# KiCad board backplane.20-slot.kicad_pcb (continued)
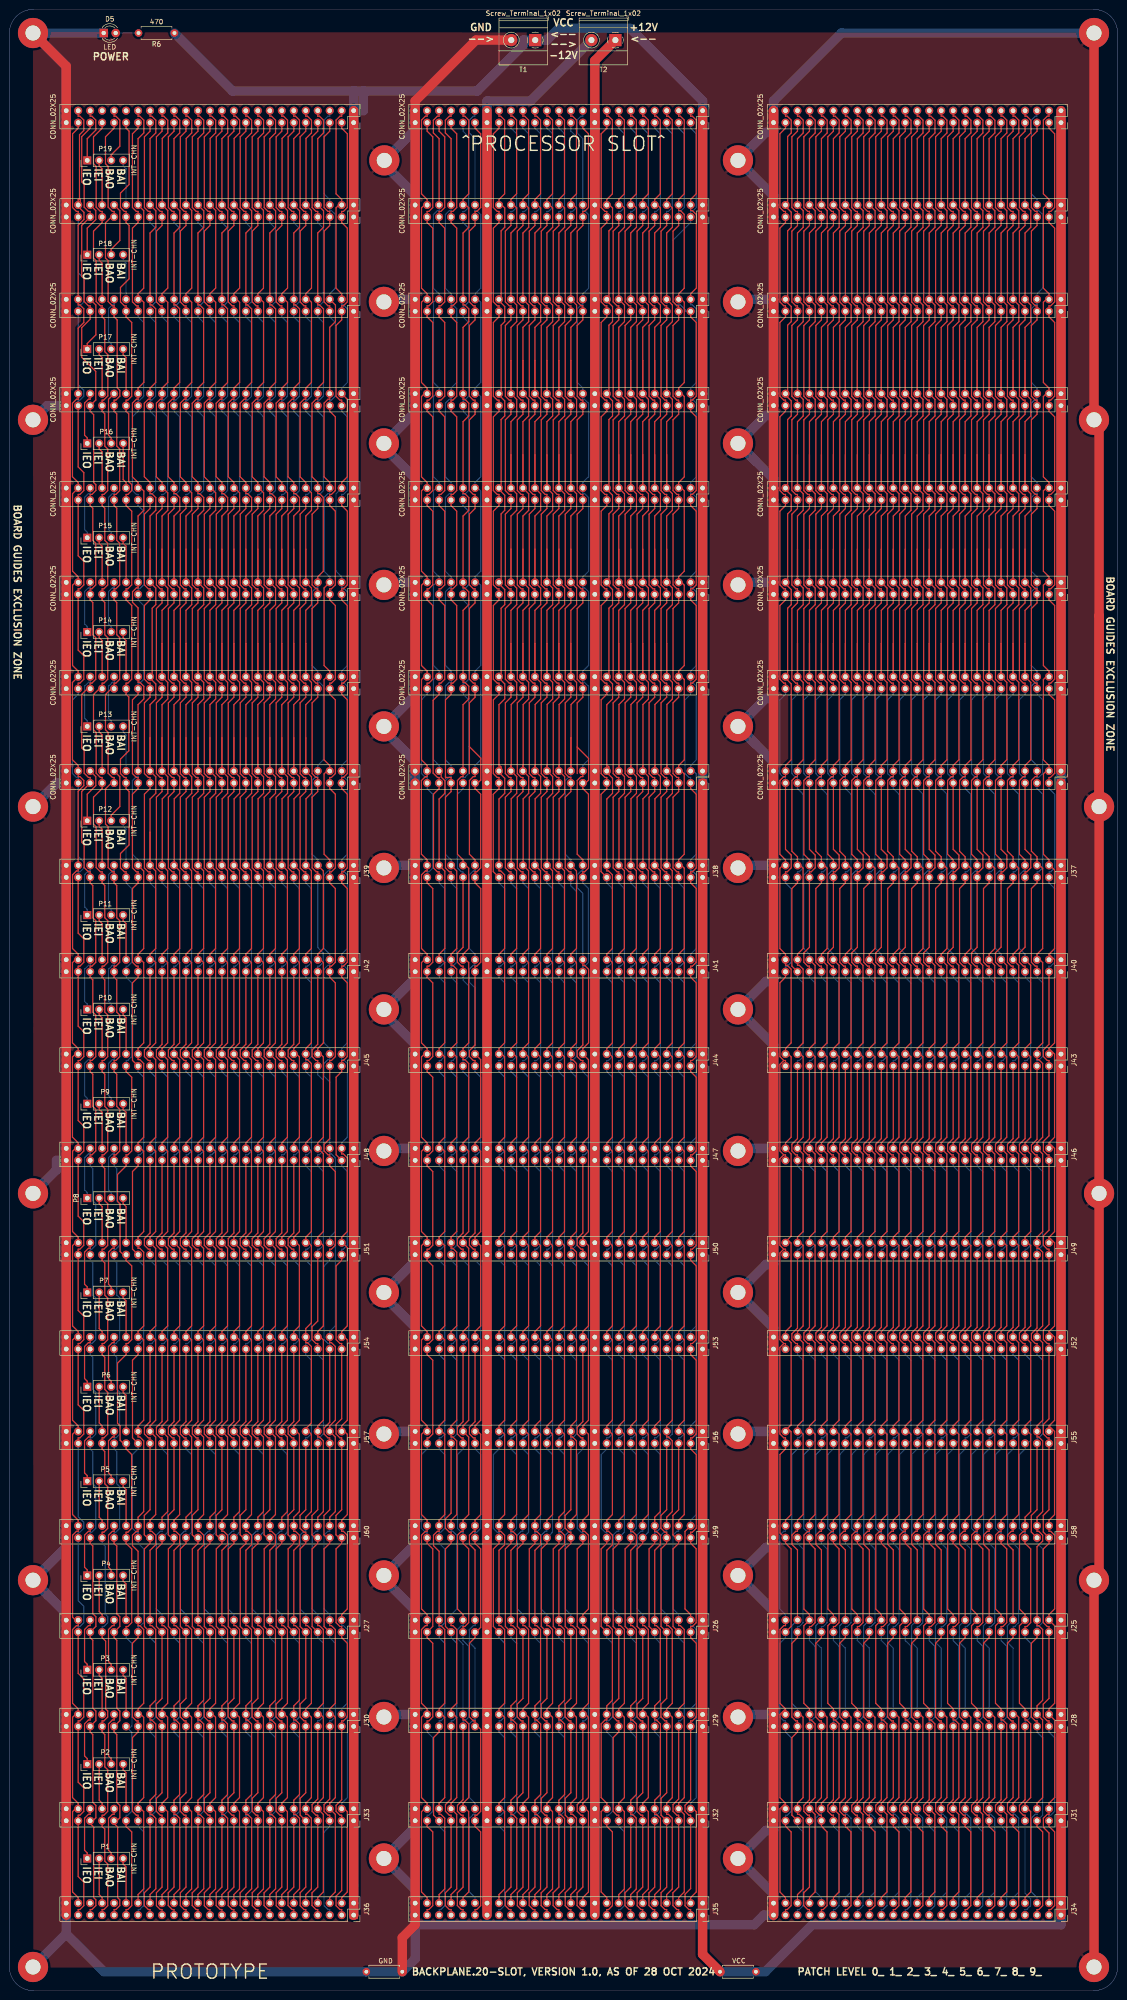
[diagram p0: board, top side]
## Routing (per net, layer and track width the routed paths; a pad name or vN(x,y) marks a point on that pad's centre or on a via; arc(x,y) is an arc through that point) (continued)
/CRUIN: length 426.4
  Top w0.25: 52.73,378.54 53.87,377.4 53.87,360.91 52.68,359.72 52.68,359.13 ; 52.73,378.54 J19.18 ; 52.73,378.54 52.73,392.65 53.9,393.82 53.9,396.51 53.05,397.36 52.68,397.36 J22.18 ; 52.68,199.13 J45.18 ; 52.68,199.13 J45.18 ; 52.68,199.13 52.68,199.72 53.87,200.91 53.87,217.93 52.68,219.13 ; J45.18 53.87,197.35 53.87,180.91 52.68,179.72 52.68,179.13 ; 52.68,285.57 J4.18 ; 52.68,285.57 J4.18 ; 52.68,285.57 52.68,292.6 53.9,293.82 53.9,297.32 J7.18 ; J4.18 53.9,277.32 53.9,273.82 52.68,272.6 52.68,265.57 ; J30.18 52.68,59.13 ; 52.68,59.13 52.68,59.72 53.87,60.91 53.87,76.54 53.05,77.36 52.68,77.36 J27.18 ; 52.68,59.13 53.87,57.94 53.87,40.91 52.68,39.72 52.68,39.13 ; J16.18 52.68,359.13 ; 52.68,359.13 53.9,357.91 53.9,340.93 52.68,339.72 J13.18 52.68,337.36 52.31,337.36 51.49,336.54 51.49,320.91 52.68,319.72 52.68,318.74 ; 52.68,305.57 52.68,312.6 53.9,313.82 53.9,317.52 52.68,318.74 ; 52.68,305.57 J7.18 ; 52.68,305.57 J7.18 ; 52.68,159.13 52.68,159.72 53.87,160.91 53.87,177.93 52.68,179.13 ; 52.68,159.13 J51.18 ; 52.68,159.13 J51.18 ; J54.18 52.68,139.13 ; 52.68,139.13 53.87,137.93 53.87,120.91 52.68,119.72 52.68,119.13 ; 52.68,139.13 52.68,139.72 53.87,140.91 53.87,157.35 J51.18 ; 52.68,265.57 J1.18 ; 52.68,265.57 J1.18 ; J1.18 53.9,257.32 53.9,253.82 52.73,252.65 52.73,238.54 ; 52.68,39.13 53.87,37.94 53.87,21.54 52.68,20.35 J36.18 ; 52.68,39.13 J33.18 ; 52.73,238.54 53.87,237.4 53.87,220.91 52.68,219.72 52.68,219.13 ; 52.73,238.54 52.68,238.54 ; 52.68,119.13 J57.18 ; 52.68,119.13 J57.18 ; 52.68,238.54 J39.18 52.68,238.54 ; 52.68,318.74 J10.18 ; J48.18 52.68,179.13 ; J57.18 53.87,117.35 53.87,101.55 52.68,100.35 J60.18 ; 52.68,219.13 J42.18
  Bottom w0.25: J60.18 52.68,97.36 52.32,97.36 51.49,96.54 51.49,80.91 52.68,79.72 J27.18
/CRUOUT: length 425.3
  Top w0.25: 55.22,305.57 55.22,312.6 56.44,313.82 56.44,316.51 55.59,317.36 55.22,317.36 J10.16 55.22,319.72 54,320.93 54,336.51 54.85,337.36 55.22,337.36 J13.16 55.22,339.72 56.45,340.94 56.45,356.5 55.59,357.36 55.22,357.36 J16.16 55.22,372.6 56.45,373.83 56.45,377.31 J19.16 55.22,392.6 56.44,393.82 56.44,396.51 55.59,397.36 55.22,397.36 J22.16 ; 55.22,305.57 J7.16 ; 55.22,305.57 J7.16 ; 55.22,199.13 J45.16 ; 55.22,199.13 J45.16 ; 55.22,199.13 55.22,199.72 56.41,200.91 56.41,217.93 55.22,219.13 ; J45.16 56.41,197.35 56.41,180.91 55.22,179.72 55.22,179.13 ; J57.16 55.22,119.13 ; J57.16 56.41,117.35 56.41,100.91 55.22,99.72 J60.16 55.22,97.36 55.59,97.36 56.41,96.54 56.41,94.52 55.22,93.33 J27.16 55.22,77.36 55.59,77.36 56.41,76.54 56.41,61.55 55.22,60.35 J30.16 55.22,57.36 55.59,57.36 56.43,56.52 56.43,41.57 55.22,40.35 J33.16 55.22,37.36 55.59,37.36 56.44,36.51 56.44,21.57 55.22,20.35 J36.16 ; J57.16 55.22,119.13 ; 55.22,119.13 55.22,119.72 56.41,120.91 56.41,137.93 55.22,139.13 ; J7.16 56.44,297.32 56.44,293.82 55.22,292.6 55.22,285.57 ; 55.22,219.13 55.22,219.72 56.41,220.91 56.41,237.4 55.27,238.54 ; 55.22,219.13 J42.16 ; J4.16 55.22,285.57 ; J4.16 56.44,277.32 56.44,273.82 55.22,272.6 55.22,265.57 ; J4.16 55.22,285.57 ; 55.22,159.13 J51.16 ; 55.22,159.13 55.22,159.72 56.41,160.91 56.41,177.93 55.22,179.13 ; 55.22,159.13 J51.16 ; J51.16 56.41,157.35 56.41,140.91 55.22,139.72 55.22,139.13 ; J1.16 56.44,257.32 56.44,253.82 55.27,252.65 55.27,238.54 ; J1.16 55.22,265.57 ; J1.16 55.22,265.57 ; J48.16 55.22,179.13 ; 55.27,238.54 55.22,238.54 ; 55.22,238.54 J39.16 55.22,238.54 ; J54.16 55.22,139.13
/D0: length 403.2
  Top w0.25: J6.33 182.36,277.18 182,277.18 181.17,278 181.17,293 182.36,294.19 J9.33 182.36,297.18 182,297.18 181.17,298 181.17,313 182.36,314.19 J12.33 182.36,317.18 182,317.18 181.17,318 181.17,333 182.36,334.19 J15.33 182.36,337.18 182,337.18 181.17,338 181.17,353 182.36,354.19 J18.33 182.36,357.18 182,357.18 181.17,358 181.17,373 182.36,374.19 J21.33 182.36,377.18 182,377.18 181.17,378 181.17,393 182.36,394.19 J24.33 ; J46.33 182.36,177.18 181.99,177.18 181.17,178 181.17,179.42 182.36,180.61 J43.33 ; J25.33 182.36,74.82 181.17,73.63 181.17,58 181.99,57.18 182.36,57.18 J28.33 182.36,40.91 181.17,39.72 181.17,38 181.99,37.18 182.36,37.18 J31.33 182.36,34.82 183.55,33.63 183.55,18 182.73,17.18 182.36,17.18 J34.33 ; J40.33 182.36,217.18 181.99,217.18 181.17,218 181.17,233.63 182.36,234.82 J37.33 ; J49.33 182.36,140.61 181.17,139.42 181.17,138 181.99,137.18 182.36,137.18 J52.33
  Bottom w0.25: J58.33 182.36,95.41 ; 182.36,95.41 182.36,94.82 183.55,93.63 183.55,78 182.73,77.18 182.36,77.18 J25.33 ; 182.36,95.41 181.18,96.59 181.18,113.65 182.36,114.82 J55.33 182.36,117.18 182.73,117.18 183.55,118 183.55,133.63 182.36,134.82 J52.33 ; J49.33 182.36,157.18 182.73,157.18 183.55,158 183.55,173.63 182.36,174.82 J46.33 ; J40.33 182.36,214.82 183.55,213.63 183.55,198 182.73,197.18 182.36,197.18 J43.33 ; J37.33 182.36,237.18 182.73,237.18 183.55,238 183.55,253.63 182.36,254.82 J3.33 182.36,257.18 181.99,257.18 181.17,258 181.17,273.63 182.36,274.82 J6.33
/D1: length 403.2
  Top w0.25: J49.31 184.9,140.61 183.71,139.42 183.71,138 184.53,137.18 184.9,137.18 J52.31 ; J58.31 184.9,94.82 186.09,93.63 186.09,78 185.27,77.18 184.9,77.18 J25.31 ; J24.31 184.9,394.19 183.71,393 183.71,378 184.53,377.18 184.9,377.18 J21.31 184.9,374.19 183.71,373 183.71,358 184.53,357.18 184.9,357.18 J18.31 184.9,354.19 183.71,353 183.71,338 184.53,337.18 184.9,337.18 J15.31 184.9,334.19 183.71,333 183.71,318 184.53,317.18 184.9,317.18 J12.31 184.9,314.19 183.71,313 183.71,298 184.53,297.18 184.9,297.18 J9.31 184.9,294.19 183.71,293 183.71,278 184.53,277.18 184.9,277.18 J6.31 ; J43.31 184.9,180.61 183.71,179.42 183.71,178 184.53,177.18 184.9,177.18 J46.31 ; J3.31 184.9,241.94 186.12,240.72 186.12,238.03 185.27,237.18 184.9,237.18 J37.31 184.9,221.18 183.71,219.99 183.71,218 184.53,217.18 184.9,217.18 J40.31 ; J28.31 184.9,40.46 183.71,39.27 183.71,38 184.53,37.18 184.9,37.18 J31.31
  Bottom w0.25: J31.31 184.9,34.82 186.09,33.63 186.09,18 185.27,17.18 184.9,17.18 J34.31 ; J46.31 184.9,174.82 186.09,173.63 186.09,158 185.27,157.18 184.9,157.18 J49.31 ; 184.9,115.41 186.09,116.61 186.09,133.63 184.9,134.82 J52.31 ; 184.9,115.41 J55.31 ; 184.9,115.41 184.9,114.82 183.71,113.63 183.71,98 184.53,97.18 184.9,97.18 J58.31 ; J40.31 184.9,214.82 186.09,213.63 186.09,198 185.27,197.18 184.9,197.18 J43.31 ; J28.31 184.9,57.18 185.27,57.18 186.09,58 186.09,73 184.9,74.19 J25.31 ; J3.31 184.9,257.18 184.53,257.18 183.71,258 183.71,273.63 184.9,274.82 J6.31
/D2: length 403.2
  Top w0.25: J43.29 187.44,180.61 186.25,179.42 186.25,178 187.07,177.18 187.44,177.18 J46.29 ; J52.29 187.44,137.18 187.07,137.18 186.25,138 186.25,139.42 187.44,140.61 J49.29 ; J25.29 187.44,74.82 186.25,73.63 186.25,58 187.07,57.18 187.44,57.18 J28.29 187.44,40.91 186.25,39.72 186.25,38 187.07,37.18 187.44,37.18 J31.29 187.44,34.82 188.63,33.63 188.63,18 187.81,17.18 187.44,17.18 J34.29 ; J37.29 187.44,234.82 186.25,233.63 186.25,218 187.07,217.18 187.44,217.18 J40.29 ; J24.29 187.44,394.19 186.25,393 186.25,378 187.08,377.18 187.44,377.18 J21.29 187.44,374.19 186.25,373 186.25,358 187.08,357.18 187.44,357.18 J18.29 187.44,354.19 186.25,353 186.25,338 187.08,337.18 187.44,337.18 J15.29 187.44,334.19 186.25,333 186.25,318 187.08,317.18 187.44,317.18 J12.29 187.44,314.19 186.25,313 186.25,298 187.08,297.18 187.44,297.18 J9.29 187.44,294.19 186.25,293 186.25,278 187.08,277.18 187.44,277.18 J6.29
  Bottom w0.25: J37.29 187.44,237.18 187.81,237.18 188.63,238 188.63,253.63 187.44,254.82 J3.29 187.44,257.18 187.07,257.18 186.25,258 186.25,273.63 187.44,274.82 J6.29 ; J25.29 187.44,77.18 187.81,77.18 188.63,78 188.63,93.63 187.44,94.82 187.44,95.41 ; 187.44,95.41 186.26,96.59 186.26,113.65 187.44,114.82 J55.29 187.44,117.18 187.81,117.18 188.63,118 188.63,133.63 187.44,134.82 J52.29 ; 187.44,95.41 J58.29 ; J43.29 187.44,197.18 187.81,197.18 188.63,198 188.63,213.63 187.44,214.82 J40.29 ; J49.29 187.44,157.18 187.81,157.18 188.63,158 188.63,173.63 187.44,174.82 J46.29
/D3: length 403.2
  Top w0.25: J40.27 189.98,217.18 189.61,217.18 188.79,218 188.79,219.99 189.98,221.18 J37.27 189.98,237.18 190.35,237.18 191.2,238.03 191.2,240.72 189.98,241.94 J3.27 ; J52.27 189.98,137.18 189.61,137.18 188.79,138 188.79,139.42 189.98,140.61 J49.27 ; J6.27 189.98,277.18 189.62,277.18 188.79,278 188.79,293 189.98,294.19 J9.27 189.98,297.18 189.62,297.18 188.79,298 188.79,313 189.98,314.19 J12.27 189.98,317.18 189.62,317.18 188.79,318 188.79,333 189.98,334.19 J15.27 189.98,337.18 189.62,337.18 188.79,338 188.79,353 189.98,354.19 J18.27 189.98,357.18 189.62,357.18 188.79,358 188.79,373 189.98,374.19 J21.27 189.98,377.18 189.62,377.18 188.79,378 188.79,393 189.98,394.19 J24.27 ; J46.27 189.98,177.18 189.61,177.18 188.79,178 188.79,179.42 189.98,180.61 J43.27 ; J31.27 189.98,37.18 189.61,37.18 188.79,38 188.79,39.27 189.98,40.46 J28.27 ; J25.27 189.98,77.18 190.35,77.18 191.17,78 191.17,93.63 189.98,94.82 J58.27
  Bottom w0.25: 189.98,115.41 189.98,114.82 188.79,113.63 188.79,98 189.61,97.18 189.98,97.18 J58.27 ; 189.98,115.41 191.17,116.61 191.17,133.63 189.98,134.82 J52.27 ; 189.98,115.41 J55.27 ; J49.27 189.98,157.18 190.35,157.18 191.17,158 191.17,173.63 189.98,174.82 J46.27 ; J6.27 189.98,274.82 188.79,273.63 188.79,258 189.61,257.18 189.98,257.18 J3.27 ; J31.27 189.98,34.82 191.17,33.63 191.17,18 190.35,17.18 189.98,17.18 J34.27 ; J28.27 189.98,57.18 190.35,57.18 191.17,58 191.17,73 189.98,74.19 J25.27 ; J40.27 189.98,214.82 191.17,213.63 191.17,198 190.35,197.18 189.98,197.18 J43.27
/D4: length 403.2
  Top w0.25: J6.25 192.52,277.18 192.16,277.18 191.33,278 191.33,293 192.52,294.19 J9.25 192.52,297.18 192.16,297.18 191.33,298 191.33,313 192.52,314.19 J12.25 192.52,317.18 192.16,317.18 191.33,318 191.33,333 192.52,334.19 J15.25 192.52,337.18 192.16,337.18 191.33,338 191.33,353 192.52,354.19 J18.25 192.52,357.18 192.16,357.18 191.33,358 191.33,373 192.52,374.19 J21.25 192.52,377.18 192.16,377.18 191.33,378 191.33,393 192.52,394.19 J24.25 ; J43.25 192.52,180.61 191.33,179.42 191.33,178 192.15,177.18 192.52,177.18 J46.25 ; J25.25 192.52,74.82 191.33,73.63 191.33,58 192.15,57.18 192.52,57.18 J28.25 192.52,40.91 191.33,39.72 191.33,38 192.15,37.18 192.52,37.18 J31.25 192.52,34.82 193.71,33.63 193.71,18 192.89,17.18 192.52,17.18 J34.25 ; J37.25 192.52,234.82 191.33,233.63 191.33,218 192.15,217.18 192.52,217.18 J40.25 ; J52.25 192.52,137.18 192.15,137.18 191.33,138 191.33,139.42 192.52,140.61 J49.25
  Bottom w0.25: J25.25 192.52,77.18 192.89,77.18 193.71,78 193.71,93.63 192.52,94.82 192.52,95.41 ; J49.25 192.52,157.18 192.89,157.18 193.71,158 193.71,173.63 192.52,174.82 J46.25 ; J43.25 192.52,197.18 192.89,197.18 193.71,198 193.71,213.63 192.52,214.82 J40.25 ; J6.25 192.52,274.82 191.33,273.63 191.33,258 192.15,257.18 192.52,257.18 J3.25 192.52,254.82 193.71,253.63 193.71,238 192.89,237.18 192.52,237.18 J37.25 ; J52.25 192.52,134.82 193.71,133.63 193.71,118 192.89,117.18 192.52,117.18 J55.25 192.52,114.82 191.34,113.65 191.34,96.59 192.52,95.41 ; J58.25 192.52,95.41
/D5: length 403.2
  Top w0.25: J58.23 195.06,94.82 196.25,93.63 196.25,78 195.43,77.18 195.06,77.18 J25.23 ; J6.23 195.06,277.18 194.69,277.18 193.87,278 193.87,293 195.06,294.19 J9.23 195.06,297.18 194.69,297.18 193.87,298 193.87,313 195.06,314.19 J12.23 195.06,317.18 194.69,317.18 193.87,318 193.87,333 195.06,334.19 J15.23 195.06,337.18 194.69,337.18 193.87,338 193.87,353 195.06,354.19 J18.23 195.06,357.18 194.69,357.18 193.87,358 193.87,373 195.06,374.19 J21.23 195.06,377.18 194.69,377.18 193.87,378 193.87,393 195.06,394.19 J24.23 ; J40.23 195.06,217.18 194.69,217.18 193.87,218 193.87,219.99 195.06,221.18 J37.23 195.06,237.18 195.43,237.18 196.28,238.03 196.28,240.72 195.06,241.94 J3.23 ; J43.23 195.06,180.61 193.87,179.42 193.87,178 194.69,177.18 195.06,177.18 J46.23 ; J31.23 195.06,37.18 194.69,37.18 193.87,38 193.87,39.27 195.06,40.46 J28.23 ; J49.23 195.06,140.61 193.87,139.42 193.87,138 194.69,137.18 195.06,137.18 J52.23
  Bottom w0.25: J58.23 195.06,97.18 194.69,97.18 193.87,98 193.87,113.63 195.06,114.82 195.06,115.41 ; J34.23 195.06,17.18 195.43,17.18 196.25,18 196.25,33.63 195.06,34.82 J31.23 ; J25.23 195.06,74.19 196.25,73 196.25,58 195.43,57.18 195.06,57.18 J28.23 ; J43.23 195.06,197.18 195.43,197.18 196.25,198 196.25,213.63 195.06,214.82 J40.23 ; 195.06,115.41 J55.23 ; 195.06,115.41 196.25,116.61 196.25,133.63 195.06,134.82 J52.23 ; J46.23 195.06,174.82 196.25,173.63 196.25,158 195.43,157.18 195.06,157.18 J49.23 ; J3.23 195.06,257.18 194.69,257.18 193.87,258 193.87,273.63 195.06,274.82 J6.23
/D6: length 403.2
  Top w0.25: J37.21 197.6,234.82 196.41,233.63 196.41,218 197.23,217.18 197.6,217.18 J40.21 ; J46.21 197.6,177.18 197.23,177.18 196.41,178 196.41,179.42 197.6,180.61 J43.21 ; J6.21 197.6,277.18 197.24,277.18 196.41,278 196.41,293 197.6,294.19 J9.21 197.6,297.18 197.24,297.18 196.41,298 196.41,313 197.6,314.19 J12.21 197.6,317.18 197.24,317.18 196.41,318 196.41,333 197.6,334.19 J15.21 197.6,337.18 197.24,337.18 196.41,338 196.41,353 197.6,354.19 J18.21 197.6,357.18 197.24,357.18 196.41,358 196.41,373 197.6,374.19 J21.21 197.6,377.18 197.24,377.18 196.41,378 196.41,393 197.6,394.19 J24.21 ; J49.21 197.6,140.61 196.41,139.42 196.41,138 197.23,137.18 197.6,137.18 J52.21 ; J25.21 197.6,74.82 196.41,73.63 196.41,58 197.23,57.18 197.6,57.18 J28.21 197.6,40.91 196.41,39.72 196.41,38 197.23,37.18 197.6,37.18 J31.21 197.6,34.82 198.79,33.63 198.79,18 197.97,17.18 197.6,17.18 J34.21
  Bottom w0.25: J6.21 197.6,274.82 196.41,273.63 196.41,258 197.23,257.18 197.6,257.18 J3.21 197.6,254.82 198.79,253.63 198.79,238 197.97,237.18 197.6,237.18 J37.21 ; 197.6,95.41 197.6,94.82 198.79,93.63 198.79,78 197.97,77.18 197.6,77.18 J25.21 ; 197.6,95.41 196.42,96.59 196.42,113.65 197.6,114.82 J55.21 197.6,117.18 197.97,117.18 198.79,118 198.79,133.63 197.6,134.82 J52.21 ; 197.6,95.41 J58.21 ; J43.21 197.6,197.18 197.97,197.18 198.79,198 198.79,213.63 197.6,214.82 J40.21 ; J46.21 197.6,174.82 198.79,173.63 198.79,158 197.97,157.18 197.6,157.18 J49.21
/D7: length 403.2
  Top w0.25: J40.19 200.14,217.18 199.77,217.18 198.95,218 198.95,219.99 200.14,221.18 J37.19 200.14,237.18 200.51,237.18 201.36,238.03 201.36,240.72 200.14,241.94 J3.19 ; J43.19 200.14,180.61 198.95,179.42 198.95,178 199.77,177.18 200.14,177.18 J46.19 ; J24.19 200.14,394.19 198.95,393 198.95,378 199.78,377.18 200.14,377.18 J21.19 200.14,374.19 198.95,373 198.95,358 199.78,357.18 200.14,357.18 J18.19 200.14,354.19 198.95,353 198.95,338 199.78,337.18 200.14,337.18 J15.19 200.14,334.19 198.95,333 198.95,318 199.78,317.18 200.14,317.18 J12.19 200.14,314.19 198.95,313 198.95,298 199.78,297.18 200.14,297.18 J9.19 200.14,294.19 198.95,293 198.95,278 199.78,277.18 200.14,277.18 J6.19 ; J25.19 200.14,77.18 200.51,77.18 201.33,78 201.33,93.63 200.14,94.82 J58.19 ; J28.19 200.14,40.46 198.95,39.27 198.95,38 199.77,37.18 200.14,37.18 J31.19 ; J49.19 200.14,140.61 198.95,139.42 198.95,138 199.77,137.18 200.14,137.18 J52.19
  Bottom w0.25: J3.19 200.14,257.18 199.77,257.18 198.95,258 198.95,273.63 200.14,274.82 J6.19 ; J43.19 200.14,197.18 200.51,197.18 201.33,198 201.33,213.63 200.14,214.82 J40.19 ; J31.19 200.14,34.82 201.33,33.63 201.33,18 200.51,17.18 200.14,17.18 J34.19 ; J28.19 200.14,57.18 200.51,57.18 201.33,58 201.33,73 200.14,74.19 J25.19 ; J49.19 200.14,157.18 200.51,157.18 201.33,158 201.33,173.63 200.14,174.82 J46.19 ; 200.14,115.41 201.33,116.61 201.33,133.63 200.14,134.82 J52.19 ; 200.14,115.41 200.14,114.82 198.95,113.63 198.95,98 199.77,97.18 200.14,97.18 J58.19 ; 200.14,115.41 J55.19
/D8: length 403.2
  Top w0.25: J43.17 202.68,180.61 201.49,179.42 201.49,178 202.31,177.18 202.68,177.18 J46.17 ; J24.17 202.68,394.19 201.49,393 201.49,378 202.31,377.18 202.68,377.18 J21.17 202.68,374.19 201.49,373 201.49,358 202.31,357.18 202.68,357.18 J18.17 202.68,354.19 201.49,353 201.49,338 202.31,337.18 202.68,337.18 J15.17 202.68,334.19 201.49,333 201.49,318 202.31,317.18 202.68,317.18 J12.17 202.68,314.19 201.49,313 201.49,298 202.31,297.18 202.68,297.18 J9.17 202.68,294.19 201.49,293 201.49,278 202.31,277.18 202.68,277.18 J6.17 ; J25.17 202.68,74.82 201.49,73.63 201.49,58 202.31,57.18 202.68,57.18 J28.17 202.68,40.91 201.49,39.72 201.49,38 202.31,37.18 202.68,37.18 J31.17 202.68,34.82 203.87,33.63 203.87,18 203.05,17.18 202.68,17.18 J34.17 ; J52.17 202.68,137.18 202.31,137.18 201.49,138 201.49,139.42 202.68,140.61 J49.17 ; J40.17 202.68,217.18 202.31,217.18 201.49,218 201.49,233.63 202.68,234.82 J37.17
  Bottom w0.25: J43.17 202.68,197.18 203.05,197.18 203.87,198 203.87,213.63 202.68,214.82 J40.17 ; J6.17 202.68,274.82 201.49,273.63 201.49,258 202.31,257.18 202.68,257.18 J3.17 202.68,254.82 203.87,253.63 203.87,238 203.05,237.18 202.68,237.18 J37.17 ; J58.17 202.68,95.41 ; 202.68,95.41 202.68,94.82 203.87,93.63 203.87,78 203.05,77.18 202.68,77.18 J25.17 ; 202.68,95.41 201.5,96.59 201.5,113.65 202.68,114.82 J55.17 202.68,117.18 203.05,117.18 203.87,118 203.87,133.63 202.68,134.82 J52.17 ; J46.17 202.68,174.82 203.87,173.63 203.87,158 203.05,157.18 202.68,157.18 J49.17
/D9: length 403.2
  Top w0.25: 205.22,136 205.22,137.18 204.85,137.18 204.03,138 204.03,139.42 205.22,140.61 205.22,156 ; 205.22,396 205.22,394.19 204.03,393 204.03,378 204.86,377.18 205.22,377.18 205.22,374.19 204.03,373 204.03,358 204.86,357.18 205.22,357.18 205.22,354.19 204.03,353 204.03,338 204.86,337.18 205.22,337.18 205.22,334.19 204.03,333 204.03,318 204.86,317.18 205.22,317.18 205.22,314.19 204.03,313 204.03,298 204.86,297.18 205.22,297.18 205.22,294.19 204.03,293 204.03,278 204.86,277.18 205.22,277.18 205.22,276 ; 205.22,96 205.22,94.82 206.41,93.63 206.41,78 205.59,77.18 205.22,77.18 205.22,76 ; 205.22,256 205.22,241.94 206.44,240.72 206.44,238.03 205.59,237.18 205.22,237.18 205.22,221.18 204.03,219.99 204.03,218 204.85,217.18 205.22,217.18 205.22,216 ; 205.22,56 205.22,40.46 204.03,39.27 204.03,38 204.85,37.18 205.22,37.18 205.22,36 ; 205.22,176 205.22,177.18 204.85,177.18 204.03,178 204.03,179.42 205.22,180.61 205.22,196
  Bottom w0.25: 205.22,96 205.22,97.18 204.85,97.18 204.03,98 204.03,113.63 205.22,114.82 205.22,115.41 ; 205.22,156 205.22,157.18 205.59,157.18 206.41,158 206.41,173.63 205.22,174.82 205.22,176 ; 205.22,196 205.22,197.18 205.59,197.18 206.41,198 206.41,213.63 205.22,214.82 205.22,216 ; 205.22,56 205.22,57.18 205.59,57.18 206.41,58 206.41,73 205.22,74.19 205.22,76 ; 205.22,115.41 205.22,116 ; 205.22,115.41 206.41,116.61 206.41,133.63 205.22,134.82 205.22,136 ; 205.22,36 205.22,34.82 206.41,33.63 206.41,18 205.59,17.18 205.22,17.18 205.22,16 ; 205.22,256 205.22,257.18 204.85,257.18 204.03,258 204.03,273.63 205.22,274.82 205.22,276
/D10: length 403.2
  Top w0.25: J25.13 207.76,74.82 206.57,73.63 206.57,58 207.39,57.18 207.76,57.18 J28.13 207.76,40.91 206.57,39.72 206.57,38 207.39,37.18 207.76,37.18 J31.13 207.76,34.82 208.95,33.63 208.95,18 208.13,17.18 207.76,17.18 J34.13 ; J37.13 207.76,234.82 206.57,233.63 206.57,218 207.39,217.18 207.76,217.18 J40.13 ; J46.13 207.76,177.18 207.39,177.18 206.57,178 206.57,179.42 207.76,180.61 J43.13 ; J24.13 207.76,394.19 206.57,393 206.57,378 207.39,377.18 207.76,377.18 J21.13 207.76,374.19 206.57,373 206.57,358 207.39,357.18 207.76,357.18 J18.13 207.76,354.19 206.57,353 206.57,338 207.39,337.18 207.76,337.18 J15.13 207.76,334.19 206.57,333 206.57,318 207.39,317.18 207.76,317.18 J12.13 207.76,314.19 206.57,313 206.57,298 207.39,297.18 207.76,297.18 J9.13 207.76,294.19 206.57,293 206.57,278 207.39,277.18 207.76,277.18 J6.13 ; J52.13 207.76,137.18 207.39,137.18 206.57,138 206.57,139.42 207.76,140.61 J49.13
  Bottom w0.25: J6.13 207.76,274.82 206.57,273.63 206.57,258 207.39,257.18 207.76,257.18 J3.13 207.76,254.82 208.95,253.63 208.95,238 208.13,237.18 207.76,237.18 J37.13 ; J49.13 207.76,157.18 208.13,157.18 208.95,158 208.95,173.63 207.76,174.82 J46.13 ; 207.76,95.41 206.58,96.59 206.58,113.65 207.76,114.82 J55.13 207.76,117.18 208.13,117.18 208.95,118 208.95,133.63 207.76,134.82 J52.13 ; 207.76,95.41 207.76,94.82 208.95,93.63 208.95,78 208.13,77.18 207.76,77.18 J25.13 ; 207.76,95.41 J58.13 ; J43.13 207.76,197.18 208.13,197.18 208.95,198 208.95,213.63 207.76,214.82 J40.13
/D11: length 403.2
  Top w0.25: J40.11 210.3,217.18 209.93,217.18 209.11,218 209.11,220.02 210.3,221.21 J37.11 210.3,237.18 210.67,237.18 211.52,238.03 211.52,240.72 210.3,241.94 J3.11 ; J24.11 210.3,394.19 209.11,393 209.11,378 209.94,377.18 210.3,377.18 J21.11 210.3,374.19 209.11,373 209.11,358 209.94,357.18 210.3,357.18 J18.11 210.3,354.19 209.11,353 209.11,338 209.94,337.18 210.3,337.18 J15.11 210.3,334.19 209.11,333 209.11,318 209.94,317.18 210.3,317.18 J12.11 210.3,314.19 209.11,313 209.11,298 209.94,297.18 210.3,297.18 J9.11 210.3,294.19 209.11,293 209.11,278 209.94,277.18 210.3,277.18 J6.11 ; J49.11 210.3,140.61 209.11,139.42 209.11,138 209.93,137.18 210.3,137.18 J52.11 ; J46.11 210.3,177.18 209.93,177.18 209.11,178 209.11,179.42 210.3,180.61 J43.11 ; J58.11 210.3,94.82 211.49,93.63 211.49,78 210.67,77.18 210.3,77.18 J25.11 ; J31.11 210.3,37.18 209.93,37.18 209.11,38 209.11,39.27 210.3,40.46 J28.11
  Bottom w0.25: J31.11 210.3,34.82 211.49,33.63 211.49,18 210.67,17.18 210.3,17.18 J34.11 ; J49.11 210.3,157.18 210.67,157.18 211.49,158 211.49,173.63 210.3,174.82 J46.11 ; J28.11 210.3,57.18 210.67,57.18 211.49,58 211.49,73 210.3,74.19 J25.11 ; 210.3,115.41 210.3,114.82 209.11,113.63 209.11,98 209.93,97.18 210.3,97.18 J58.11 ; 210.3,115.41 J55.11 ; 210.3,115.41 211.49,116.61 211.49,133.63 210.3,134.82 J52.11 ; J6.11 210.3,274.82 209.11,273.63 209.11,258 209.93,257.18 210.3,257.18 J3.11 ; J40.11 210.3,214.82 211.49,213.63 211.49,198 210.67,197.18 210.3,197.18 J43.11
/D12: length 403.2
  Top w0.25: J52.9 212.84,137.18 212.47,137.18 211.65,138 211.65,139.42 212.84,140.61 J49.9 ; J37.9 212.84,234.82 211.65,233.63 211.65,218 212.47,217.18 212.84,217.18 J40.9 ; J43.9 212.84,180.61 211.65,179.42 211.65,178 212.47,177.18 212.84,177.18 J46.9 ; J24.9 212.84,394.19 211.65,393 211.65,378 212.48,377.18 212.84,377.18 J21.9 212.84,374.19 211.65,373 211.65,358 212.48,357.18 212.84,357.18 J18.9 212.84,354.19 211.65,353 211.65,338 212.48,337.18 212.84,337.18 J15.9 212.84,334.19 211.65,333 211.65,318 212.48,317.18 212.84,317.18 J12.9 212.84,314.19 211.65,313 211.65,298 212.48,297.18 212.84,297.18 J9.9 212.84,294.19 211.65,293 211.65,278 212.48,277.18 212.84,277.18 J6.9 ; J34.9 212.84,17.18 213.21,17.18 214.03,18 214.03,33.63 212.84,34.82 J31.9 212.84,37.18 212.47,37.18 211.65,38 211.65,39.72 212.84,40.91 J28.9 212.84,57.18 212.47,57.18 211.65,58 211.65,73.63 212.84,74.82 J25.9
  Bottom w0.25: J25.9 212.84,77.18 213.21,77.18 214.03,78 214.03,93.63 212.84,94.82 212.84,95.41 ; J6.9 212.84,274.82 211.65,273.63 211.65,258 212.47,257.18 212.84,257.18 J3.9 212.84,254.82 214.03,253.63 214.03,238 213.21,237.18 212.84,237.18 J37.9 ; J40.9 212.84,214.82 214.03,213.63 214.03,198 213.21,197.18 212.84,197.18 J43.9 ; J58.9 212.84,95.41 ; 212.84,95.41 211.66,96.59 211.66,113.65 212.84,114.82 J55.9 212.84,117.18 213.21,117.18 214.03,118 214.03,133.63 212.84,134.82 J52.9 ; J46.9 212.84,174.82 214.03,173.63 214.03,158 213.21,157.18 212.84,157.18 J49.9
/D13: length 403.2
  Top w0.25: J28.7 215.38,40.46 214.19,39.27 214.19,38 215.01,37.18 215.38,37.18 J31.7 ; J46.7 215.38,177.18 215.01,177.18 214.19,178 214.19,179.42 215.38,180.61 J43.7 ; J40.7 215.38,217.18 215.01,217.18 214.19,218 214.19,220.02 215.38,221.21 J37.7 215.38,237.18 215.75,237.18 216.6,238.03 216.6,240.72 215.38,241.94 J3.7 ; J52.7 215.38,137.18 215.01,137.18 214.19,138 214.19,139.42 215.38,140.61 J49.7 ; J25.7 215.38,77.18 215.75,77.18 216.57,78 216.57,93.63 215.38,94.82 J58.7 ; J24.7 215.38,394.19 214.19,393 214.19,378 215.01,377.18 215.38,377.18 J21.7 215.38,374.19 214.19,373 214.19,358 215.01,357.18 215.38,357.18 J18.7 215.38,354.19 214.19,353 214.19,338 215.01,337.18 215.38,337.18 J15.7 215.38,334.19 214.19,333 214.19,318 215.01,317.18 215.38,317.18 J12.7 215.38,314.19 214.19,313 214.19,298 215.01,297.18 215.38,297.18 J9.7 215.38,294.19 214.19,293 214.19,278 215.01,277.18 215.38,277.18 J6.7
  Bottom w0.25: J52.7 215.38,134.82 216.57,133.63 216.57,116.61 215.38,115.41 ; J43.7 215.38,197.18 215.75,197.18 216.57,198 216.57,213.63 215.38,214.82 J40.7 ; J25.7 215.38,74.82 216.57,73.63 216.57,58 215.75,57.18 215.38,57.18 J28.7 ; J31.7 215.38,20.61 216.56,19.44 216.56,17.99 215.75,17.18 215.38,17.18 J34.7 ; J46.7 215.38,174.82 216.57,173.63 216.57,158 215.75,157.18 215.38,157.18 J49.7 ; J3.7 215.38,257.18 215.01,257.18 214.19,258 214.19,273.63 215.38,274.82 J6.7 ; J55.7 215.38,115.41 ; 215.38,115.41 215.38,114.82 214.19,113.63 214.19,98 215.01,97.18 215.38,97.18 J58.7
/D14: length 402.4
  Top w0.25: J6.5 217.92,277.18 217.56,277.18 216.73,278 216.73,293 217.92,294.19 J9.5 217.92,297.18 217.56,297.18 216.73,298 216.73,313 217.92,314.19 J12.5 217.92,317.18 217.56,317.18 216.73,318 216.73,333 217.92,334.19 J15.5 217.92,337.18 217.56,337.18 216.73,338 216.73,353 217.92,354.19 J18.5 217.92,357.18 217.56,357.18 216.73,358 216.73,373 217.92,374.19 J21.5 217.92,377.18 217.56,377.18 216.73,378 216.73,393 217.92,394.19 J24.5 ; J52.5 217.92,137.18 217.55,137.18 216.73,138 216.73,139.27 217.92,140.46 J49.5 ; J40.5 217.92,217.18 217.55,217.18 216.73,218 216.73,233.63 217.92,234.82 J37.5 ; J28.5 217.92,57.18 217.55,57.18 216.73,58 216.73,73.63 217.92,74.82 J25.5 ; J34.5 217.92,17.18 218.29,17.18 219.11,18 219.11,33.63 217.92,34.82 J31.5 ; J58.5 216.71,97.21 216.71,100.72 217.92,101.94 J55.5 ; J46.5 217.92,177.18 217.55,177.18 216.73,178 216.73,179.27 217.92,180.46 J43.5